# Altium PCB Smart Humidifier_LCEDA.PcbDoc
Units mil, origin at the board's own origin, x right, y up, seen from the top; angles counter-clockwise.
Board outline 3149.61 x 3149.61 mil, 2 copper layers (Top Layer, Bottom Layer); 109 components, 90 nets, 422 pads, 219 vias.
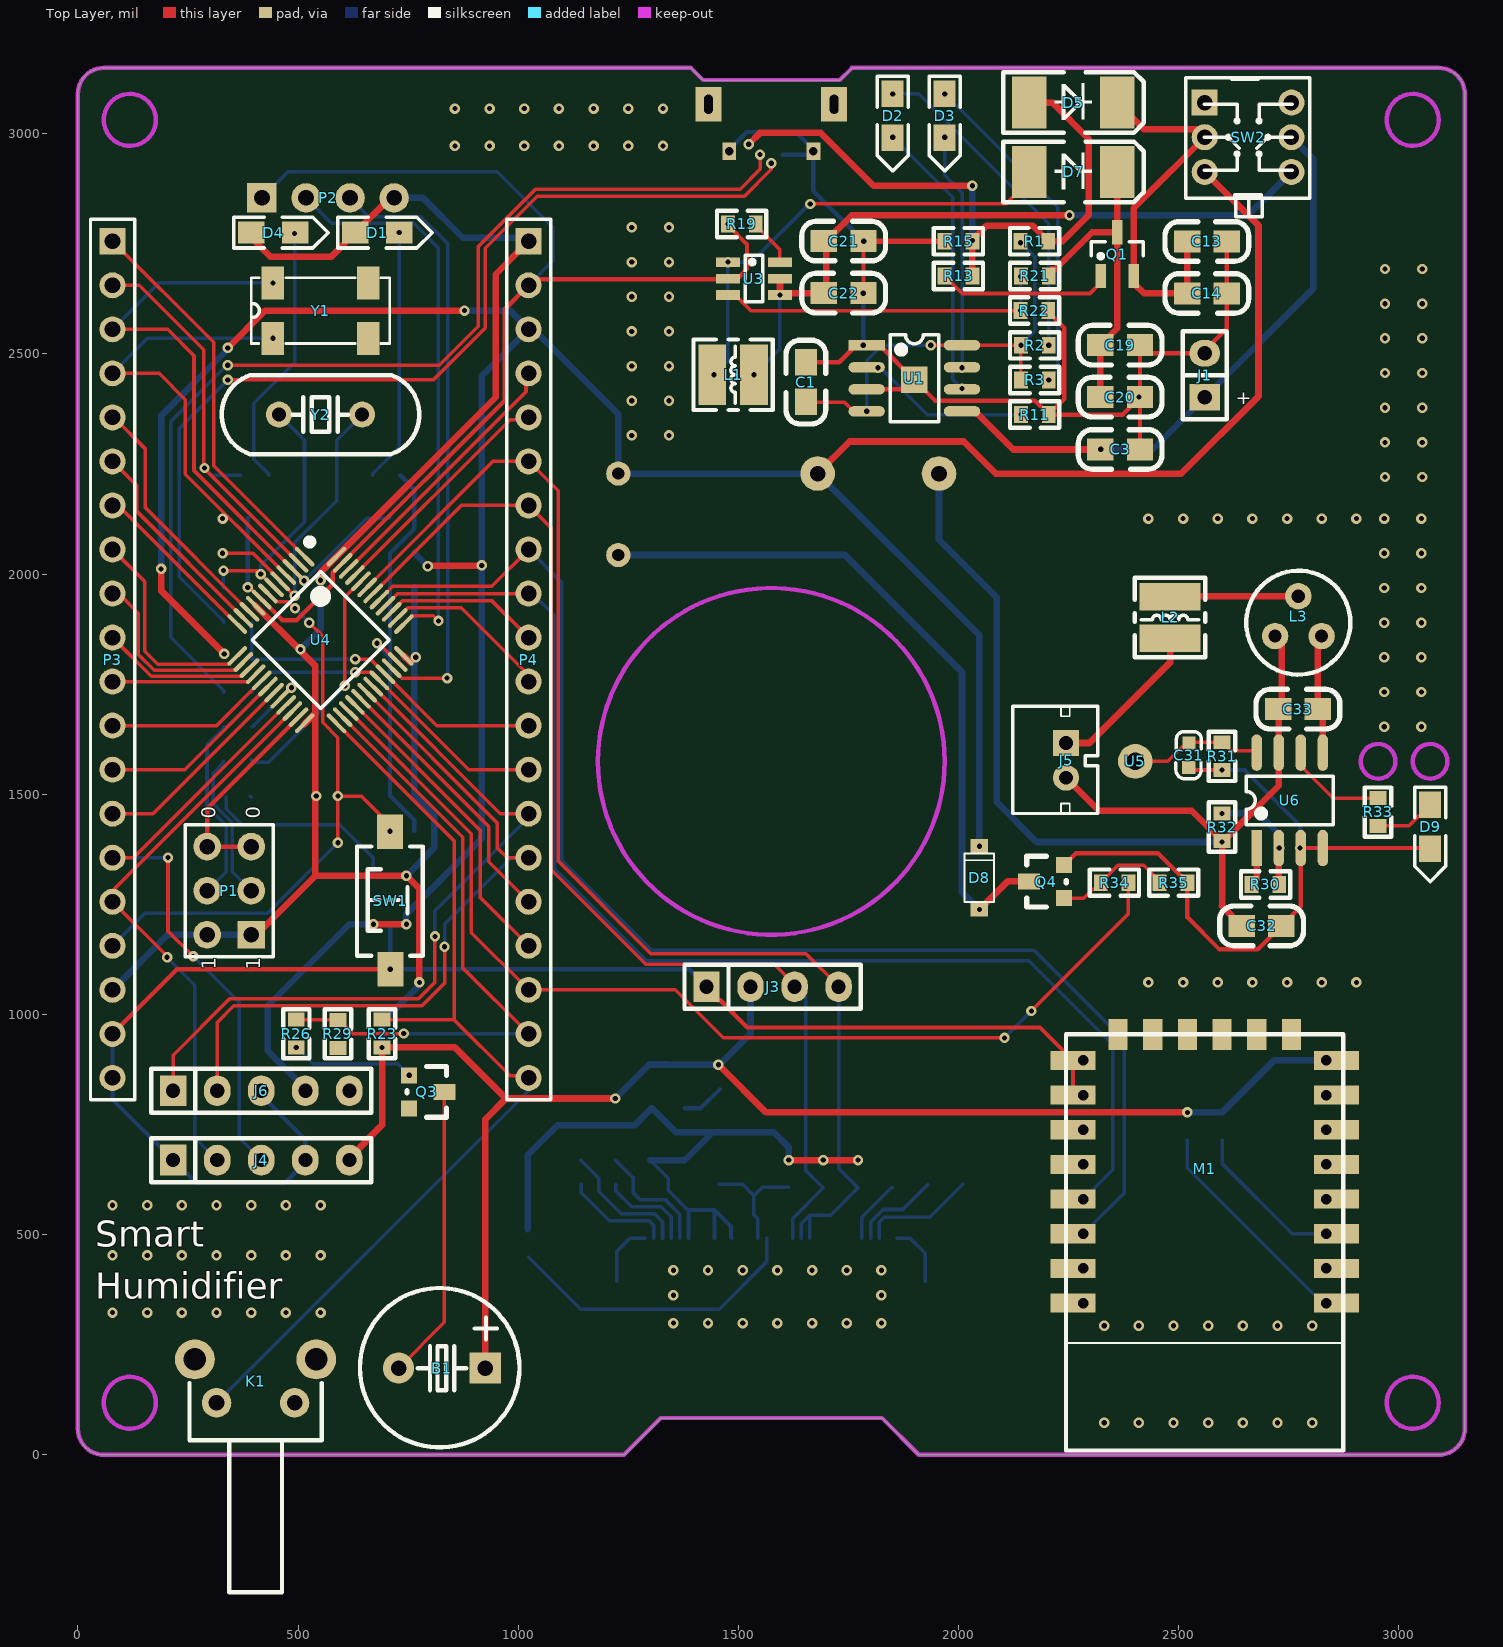
[diagram p0: Top Layer view]
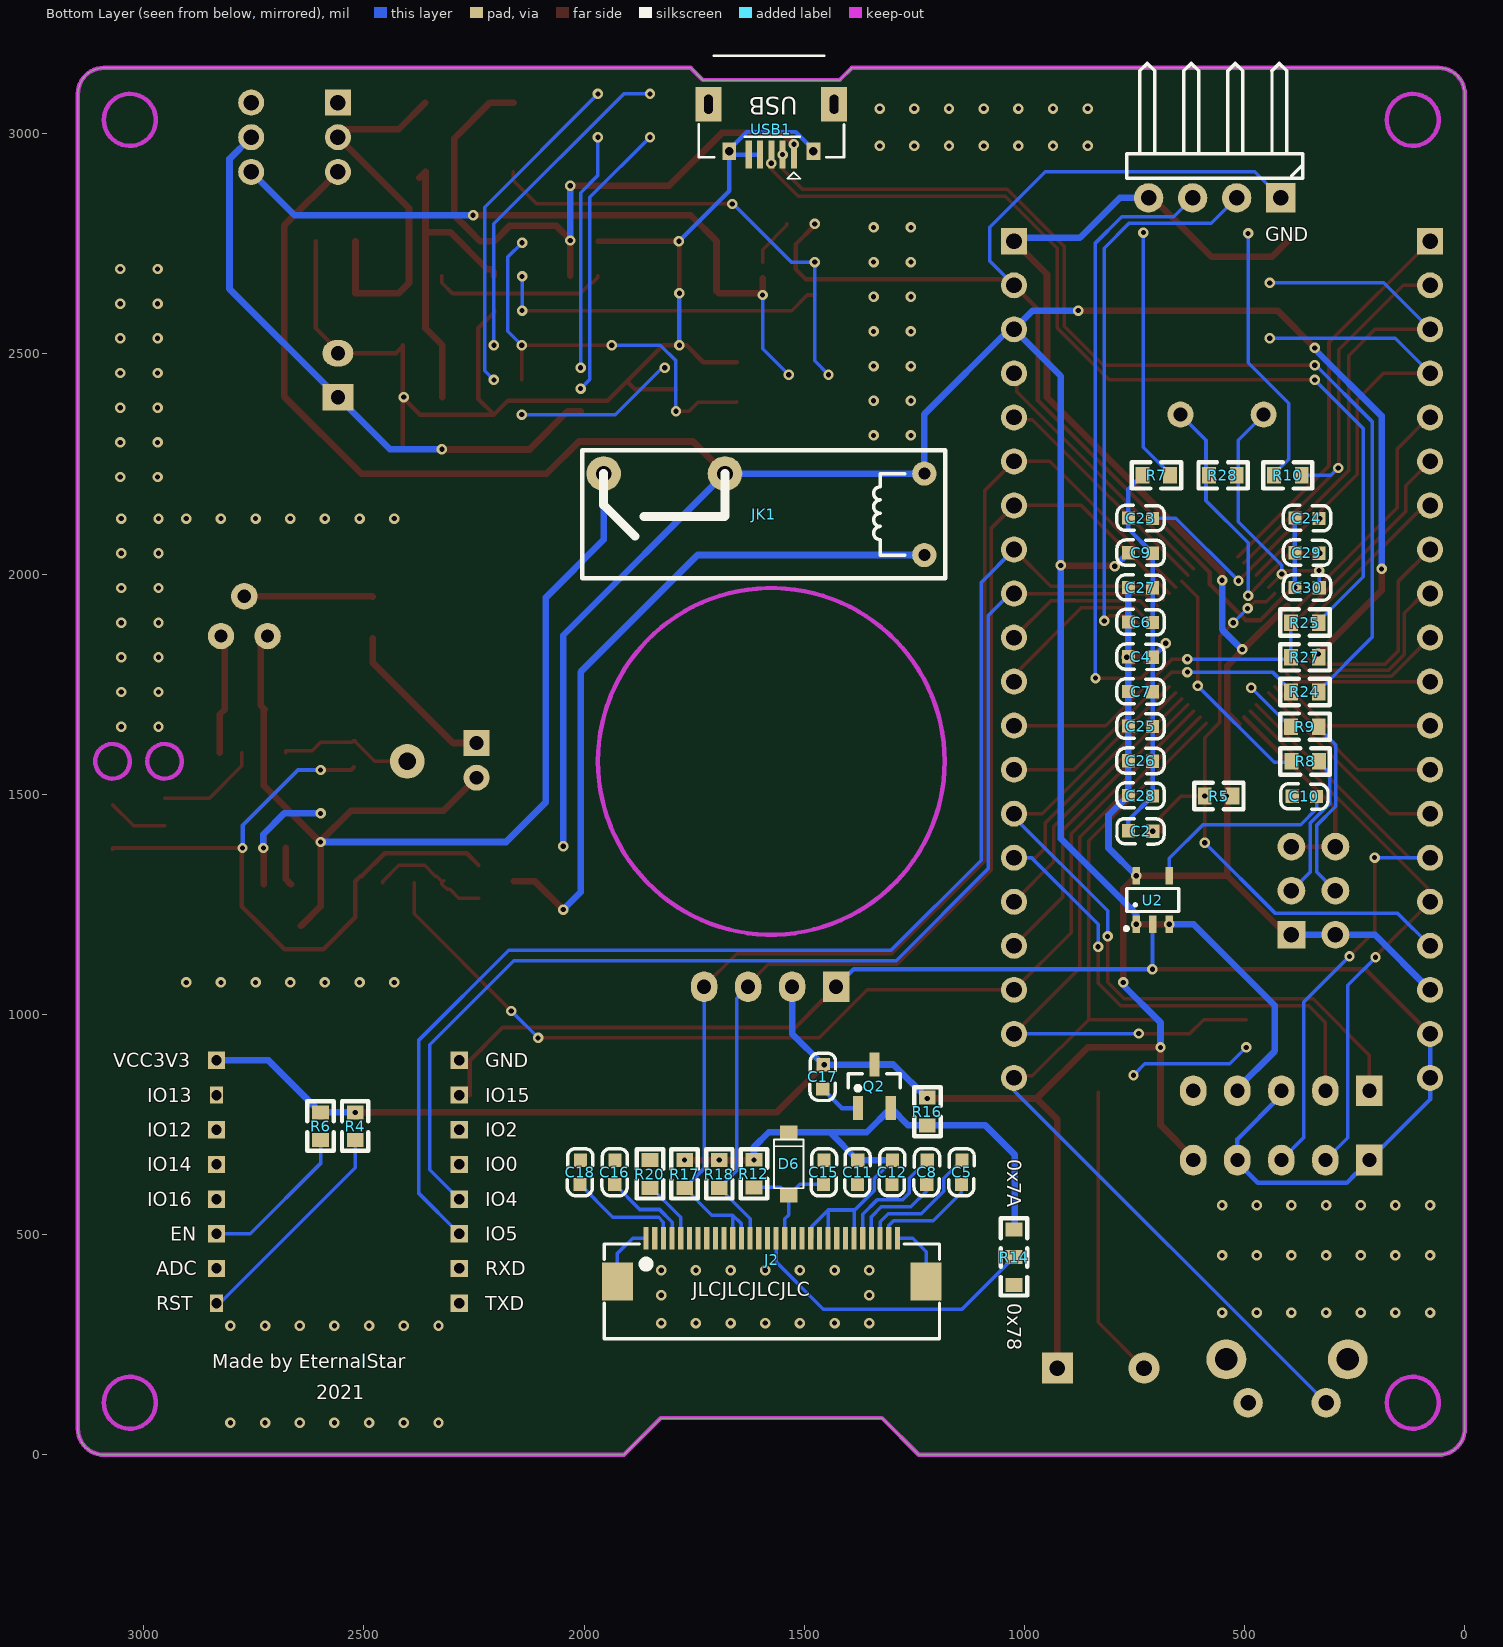
[diagram p1: Bottom Layer view, seen from below]

## Layer stack, top to bottom
Top Solder: solder mask 0.4, Solder Resist, Dk 3.5
Top Layer: signal copper 1.4
Dielectric 1: dielectric 12.6, FR-4, Dk 4.8
Bottom Layer: signal copper 1.4
Bottom Solder: solder mask 0.4, Solder Resist, Dk 3.5

## Board outline
59.06,0 cw(c59.06,59.06) 0,59.06 0,3090.55 cw(c59.06,3090.55) 59.06,3149.61 1392.22,3149.61 1419.78,3122.05 1730.32,3122.05 1757.87,3149.61 3090.55,3149.61 cw(c3090.55,3090.55) 3149.61,3090.55 3149.61,59.06 cw(c3090.55,59.06) 3090.55,0 1909.45,0 1825.93,83.52 1323.67,83.52 1240.16,0

## Design rules (kind name [scope] priority, off if disabled: settings)
AssemblyTestPointUsage [All] p0: scope1count=1 scope1_0_kind=Board scope1_0_value=Board scope2count=1 scope2_0_kind=Board scope2_0_value=Board commentlength=0
AssemblyTestpoint [All] p0: scope1count=1 scope1_0_kind=Board scope1_0_value=Board scope2count=1 scope2_0_kind=Board scope2_0_value=Board commentlength=0
Clearance [All] p0: scope1count=1 scope1_0_kind=Board scope1_0_value=Board scope2count=1 scope2_0_kind=Board scope2_0_value=Board commentlength=0 gap=5
Clearance [All] p1: gap=5 ignorepadtopadclearanceinfootprint=TRUE
ComponentClearance ComponentClearance_1 [All] p0: scope1count=1 scope1_0_kind=Component scope1_0_value=OLED1 scope2count=1 scope2_0_kind=Board scope2_0_value=Board commentlength=0 gap=0 collisioncheckmode=3
ComponentClearance [All] p0: scope1count=1 scope1_0_kind=Board scope1_0_value=Board scope2count=1 scope2_0_kind=Board scope2_0_value=Board commentlength=0 gap=10 collisioncheckmode=3
ComponentClearance ComponentClearance_1 [InComponent('OLED1')] p1: gap=0 collisioncheckmode=3 verticalgap=0 showdistances=FALSE
ComponentClearance [All] p2: gap=10 collisioncheckmode=3 verticalgap=10 showdistances=FALSE
DiffPairsRouting [All] p0: scope1count=1 scope1_0_kind=Board scope1_0_value=Board scope2count=1 scope2_0_kind=Board scope2_0_value=Board commentlength=0
DiffPairsRouting [All] p1: maxlimit=10 minlimit=3.5 mostfreqgap=8 toplayer_minwidth=3.5 toplayer_maxwidth=15 toplayer_prefwidth=8 bottomlayer_minwidth=3.5 bottomlayer_maxwidth=15 bottomlayer_prefwidth=8 maxuncoupledlength=500
FabricationTestPointUsage [All] p0: scope1count=1 scope1_0_kind=Board scope1_0_value=Board scope2count=1 scope2_0_kind=Board scope2_0_value=Board commentlength=0 valid=0 allowmultiple=FALSE
FabricationTestpoint [All] p0: scope1count=1 scope1_0_kind=Board scope1_0_value=Board scope2count=1 scope2_0_kind=Board scope2_0_value=Board commentlength=0 side=3 testpointundercomponent=TRUE minsize=40 maxsize=100 preferedsize=60 minholesize=0 maxholesize=40 preferedholesize=32 testpointgrid=1
FanoutControl Fanout_BGA [All] p0 off: scope1count=1 scope1_0_kind=Board scope1_0_value=Board scope2count=1 scope2_0_kind=Board scope2_0_value=Board commentlength=69 // Protel DXP Scope 1 Expression Was: IsBGA   Fanout_BGA (Default Rule)
FanoutControl Fanout_LCC [All] p0 off: scope1count=1 scope1_0_kind=Board scope1_0_value=Board scope2count=1 scope2_0_kind=Board scope2_0_value=Board commentlength=69 // Protel DXP Scope 1 Expression Was: IsLCC   Fanout_LCC (Default Rule)
FanoutControl Fanout_SOIC [All] p0 off: scope1count=1 scope1_0_kind=Board scope1_0_value=Board scope2count=1 scope2_0_kind=Board scope2_0_value=Board commentlength=71 // Protel DXP Scope 1 Expression Was: IsSOIC   Fanout_SOIC (Default Rule)
FanoutControl Fanout_Small [All] p0 off: scope1count=1 scope1_0_kind=Board scope1_0_value=Board scope2count=1 scope2_0_kind=Board scope2_0_value=Board commentlength=84 // Protel DXP Scope 1 Expression Was: (CompPinCount < 5)   Fanout_Small (Default Rule)
FanoutControl Fanout_Default [All] p0: scope1count=1 scope1_0_kind=Board scope1_0_value=Board scope2count=1 scope2_0_kind=Board scope2_0_value=Board commentlength=30 // Fanout_Default (Default Rule)
Height [All] p0: scope1count=1 scope1_0_kind=Board scope1_0_value=Board scope2count=1 scope2_0_kind=Board scope2_0_value=Board commentlength=0
HoleSize [All] p0: scope1count=1 scope1_0_kind=Board scope1_0_value=Board scope2count=1 scope2_0_kind=Board scope2_0_value=Board commentlength=0 absolutevalues=TRUE maxlimit=100 minlimit=1 maxpercent=80.000 minpercent=20.000
HoleToHoleClearance [All] p0: scope1count=1 scope1_0_kind=Board scope1_0_value=Board scope2count=1 scope2_0_kind=Board scope2_0_value=Board commentlength=0
LayerPairs [All] p0: scope1count=1 scope1_0_kind=Board scope1_0_value=Board scope2count=1 scope2_0_kind=Board scope2_0_value=Board commentlength=0 enforce=TRUE
MinimumSolderMaskSliver [All] p0: scope1count=1 scope1_0_kind=Board scope1_0_value=Board scope2count=1 scope2_0_kind=Board scope2_0_value=Board commentlength=0
MinimumSolderMaskSliver [All] p1: minsoldermaskwidth=0
NetAntennae [All] p0: scope1count=1 scope1_0_kind=Board scope1_0_value=Board scope2count=1 scope2_0_kind=Board scope2_0_value=Board commentlength=0
PasteMaskExpansion [All] p0: scope1count=1 scope1_0_kind=Board scope1_0_value=Board scope2count=1 scope2_0_kind=Board scope2_0_value=Board commentlength=0 expansion=0
PlaneClearance [All] p0: scope1count=1 scope1_0_kind=Board scope1_0_value=Board scope2count=1 scope2_0_kind=Board scope2_0_value=Board commentlength=0 clearance=20
PlaneConnect [All] p0: scope1count=1 scope1_0_kind=Board scope1_0_value=Board scope2count=1 scope2_0_kind=Board scope2_0_value=Board commentlength=0 planeconnectstyle=Relief reliefexpansion=20 reliefentries=4 reliefconductorwidth=10 reliefairgap=10
PolygonConnect [All] p0: scope1count=1 scope1_0_kind=Board scope1_0_value=Board scope2count=1 scope2_0_kind=Board scope2_0_value=Board commentlength=0 connectstyle=Relief reliefconductorwidth=10 reliefentries=4 polygonreliefangle="90 Angle"
PolygonConnect [All] p1: connectstyle=Relief reliefconductorwidth=10 reliefentries=4 polygonreliefangle="90 Angle" airgapwidth=10
RoutingCorners [All] p0: scope1count=1 scope1_0_kind=Board scope1_0_value=Board scope2count=1 scope2_0_kind=Board scope2_0_value=Board commentlength=0 cornerstyle=45-Degree minsetback=100 maxsetback=100
RoutingLayers [All] p0: scope1count=1 scope1_0_kind=Board scope1_0_value=Board scope2count=1 scope2_0_kind=Board scope2_0_value=Board commentlength=0 top layer=Automatic bottom layer=Automatic
RoutingPriority [All] p0: scope1count=1 scope1_0_kind=Board scope1_0_value=Board scope2count=1 scope2_0_kind=Board scope2_0_value=Board commentlength=0
RoutingTopology [All] p0: scope1count=1 scope1_0_kind=Board scope1_0_value=Board scope2count=1 scope2_0_kind=Board scope2_0_value=Board commentlength=0 topology=Shortest
RoutingVias [All] p0: scope1count=1 scope1_0_kind=Board scope1_0_value=Board scope2count=1 scope2_0_kind=Board scope2_0_value=Board commentlength=0 holewidth=28 width=50 viastyle="Through Hole" minholewidth=11.81 minwidth=19.68 maxholewidth=248.03 maxwidth=50
RoutingVias [All] p1: holewidth=28 width=50 viastyle="Through Hole" minholewidth=11.81 minwidth=19.68 maxholewidth=248.03 maxwidth=50
ShortCircuit [All] p0: scope1count=1 scope1_0_kind=Board scope1_0_value=Board scope2count=1 scope2_0_kind=Board scope2_0_value=Board commentlength=0 allowed=FALSE
SilkToBoardRegionClearance [All] p0: scope1count=1 scope1_0_kind=Board scope1_0_value=Board scope2count=1 scope2_0_kind=Board scope2_0_value=Board commentlength=0
SilkToSilkClearance [All] p0: scope1count=1 scope1_0_kind=Board scope1_0_value=Board scope2count=1 scope2_0_kind=Board scope2_0_value=Board commentlength=0
SilkToSilkClearance [All] p1: silktosilkclearance=0
SilkToSolderMaskClearance [All] p0 off: scope1count=1 scope1_0_kind=Board scope1_0_value=Board scope2count=1 scope2_0_kind=Board scope2_0_value=Board commentlength=44 // Protel DXP Scope 1 Expression Was: IsPad
SilkToSolderMaskClearance [IsPad] p1: minsilkscreentomaskgap=0 clearancetoexposedcopper=TRUE
SolderMaskExpansion [All] p0: scope1count=1 scope1_0_kind=Board scope1_0_value=Board scope2count=1 scope2_0_kind=Board scope2_0_value=Board commentlength=0 expansion=4
SolderMaskExpansion [All] p1: expansion=4
UnRoutedNet [All] p0: scope1count=1 scope1_0_kind=Board scope1_0_value=Board scope2count=1 scope2_0_kind=Board scope2_0_value=Board commentlength=0
UnpouredPolygon [All] p0: scope1count=1 scope1_0_kind=Board scope1_0_value=Board scope2count=1 scope2_0_kind=Board scope2_0_value=Board commentlength=0
UnpouredPolygon [All] p1: allowunpoured=TRUE allowshelved=TRUE
Width [All] p0: scope1count=1 scope1_0_kind=Board scope1_0_value=Board scope2count=1 scope2_0_kind=Board scope2_0_value=Board commentlength=0 maxlimit=15 minlimit=3.5 preferedwidth=8
Width [All] p1: maxlimit=15 minlimit=3.5 preferedwidth=8
24 further rules are at their usual default settings.

## Components (designator, comment, footprint, x,y, rotation, side; value= is the part's Value field where it differs from the comment)
B1 "BEEP" "BEEP 5x9x5.5" 925.2,196.85 r180 top locked
C1 "10uF/0805" 0805C 1653.54,2480.32 r270 top
C2 "1uF/0603" 0603C 764.02,1417.32 r180 bottom
C3 "10uF/0805" 0805C 2322.83,2283.46 r0 top
C4 "0.1uF/0603" 0603C 708.66,1811.02 r0 bottom
C5 "1uF/0603" 0603C 1141.73,669.29 r270 bottom locked
C6 "10uF/0603" 0603C 708.66,1889.76 r0 bottom
C7 "0.1uF/0603" 0603C 708.66,1732.28 r0 bottom
C8 "1uF/0603" 0603C 1220.47,669.29 r270 bottom locked
C9 "1uF/0603" 0603C 708.66,2047.24 r0 bottom
C10 "22nF/0603" 0603C 391.83,1496.06 r180 bottom
C11 "1uF/0603" 0603C 1377.95,669.29 r270 bottom locked
C12 "1uF/0603" 0603C 1299.21,669.29 r270 bottom locked
C13 "10uF/0805" 0805C 2519.68,2755.91 r0 top
C14 "0.1uF/0805" 0805C 2519.68,2637.8 r0 top
C15 "4.7uF/0603" 0603C 1456.69,613.93 r90 bottom locked
C16 "4.7uF/0603" 0603C 1929.13,669.29 r270 bottom locked
C17 "1uF/0603" 0603C 1456.69,885.83 r270 bottom locked
C18 "2.2uF/0603" 0603C 2007.87,669.29 r270 bottom locked
C19 "20uF/0805" 0805C 2411.28,2519.68 r180 top
C20 "0.1uF/0805" 0805C 2411.28,2401.57 r180 top
C21 "0.1uF/0805" 0805C 1783.46,2755.91 r180 top
C22 "20uF/0805" 0805C 1783.46,2637.8 r180 top
C23 "22pF/0603" 0603C 708.66,2125.98 r0 bottom locked
C24 "22pF/0603" 0603C 330.61,2125.98 r0 bottom
C25 "1uF/0603" 0603C 708.66,1653.54 r0 bottom
C26 "1uF/0603" 0603C 708.66,1574.8 r0 bottom
C27 "1uF/0603" 0603C 708.66,1968.5 r0 bottom locked
C28 "1uF/0603" 0603C 708.66,1496.06 r0 bottom
C29 "22pF/0603" 0603C 330.61,2047.24 r0 bottom
C30 "22pF/0603" 0603C 330.5,1968.5 r0 bottom
C31 "0.1uF/0603" 0603C 2523.98,1616.35 r270 top
C32 "10uF/X7R/0805" 0805C 2732.28,1200.79 r180 top
C33 "8.2nF/NPO/0805" 0805C 2814.96,1692.91 r180 top
D1 "LEDR/0805" LED-0805R 629.92,2775.59 r0 top
D2 "LEDG/0805" LED-0805G 1850.39,3090.55 r270 top
D3 "LEDR/0805" LED-0805R 1968.5,3090.55 r270 top
D4 "LEDY/0805" LED-0805Y 393.7,2775.59 r0 top
D5 "SS24/2A/40V/SMA" SMA/DO-214AC 2165.35,3070.87 r0 top
D6 "1N4148W/T4" SOD-123 1535.43,590.55 r90 bottom locked
D7 "SM340A" SMA/DO-214AC 2165.35,2913.39 r0 top
D8 "IN4148W/T4" SOD-123 2047.24,1240.16 r90 top
D9 "LEDP/0805" LED-0805Y 3070.87,1476.38 r270 top
J1 "电池接口" Fe-HDR1X2/2.54-S 2559.06,2401.57 r90 top
J2 "FPC0.5-30P" FPC0.5-30P 1573.74,393.7 r180 bottom locked
J3 "Pin HDR1X4" "Pin HDR1X4/2.54mm-S" 1427.56,1062.99 r90 top locked
J4 "Female HDR1X5" Fe-HDR1X5/2.54-S 216.54,669.29 r90 top
J5 "雾化器接口/PH2.0" PH2.0-2P 2244.09,1616.35 r270 top
J6 "Female HDR1X5" Fe-HDR1X5/2.54-S 216.54,826.77 r90 top
JK1 "HF46F/5-HS1" HF46-xx-HS1 1589.49,2135.83 r0 bottom
K1 "KEY 6*6*12" DIP-6X6X12_C 314.96,118.11 r0 top locked
L1 "3.3uH/CD32" CD32 1488.19,2452.76 r180 top
L2 "220uH/CD32" CD32 2480.32,1901.57 r90 top
L3 "27uH:760uH" "INDUCTOR Tripod" 2771.65,1889.76 r0 top
M1 "ESP-12E&F Module" "ESP-12E&F Module" 2559.06,649.61 r180 top locked
P1 "Header 3X2" HDR-3X2 393.7,1181.1 r90 top
P2 "SWD" HDR-1X4_H 418.11,2854.33 r0 top
P3 "Header 20" HDR1X20 78.74,2755.91 r270 top locked
P4 "Header 20" HDR1X20 1023.62,2755.91 r270 top locked
Q1 "IRLML6401/SOT23" SOT23#1 2322.83,2677.17 r0 top
Q2 "662K/SOT23" SOT23#2 1377.95,787.4 r180 bottom locked
Q3 "SS8050/NPN/SOT-23" SOT-23 787.4,826.77 r270 top locked
Q4 "S9014/NPN/SOT-23" SOT-23 2204.72,1299.21 r90 top
R1 "0.4R/0603" 0603R 2203.73,2755.91 r180 top
R2 "1K/0603" 0603R 2141.73,2519.68 r0 top
R3 "1K/0603" 0603R 2141.73,2440.94 r0 top
R4 "510R/0603" 0603R 2519.68,777.56 r270 bottom
R5 "10K/0603" 0603R 527.56,1496.06 r0 bottom
R6 "1K/0603" 0603R 2598.43,777.56 r270 bottom
R7 "510R/0603" 0603R 669.29,2224.41 r0 bottom
R8 "10K/0603" 0603R 393.7,1574.8 r180 bottom locked
R9 "10K/0603" 0603R 331.7,1653.54 r0 bottom locked
R10 "510R/0603" 0603R 433.07,2224.41 r180 bottom
R11 "1K2/0603" 0603R 2141.73,2362.2 r0 top
R12 "4.7K/0603" 0603R 1614.17,607.08 r90 bottom locked
R13 "100K/0603" 0603R 1968.5,2677.17 r0 top
R14 "4.7K/0603" SW_0603R 1023.62,511.81 r270 bottom
R15 "100K/0603" 0603R 1968.5,2755.91 r0 top
R16 "0R/0603" 0603R 1220.47,748.03 r90 bottom
R17 "4.7K/0603" 0603R 1771.65,669.08 r270 bottom locked
R18 "4.7K/0603" 0603R 1692.91,669.08 r270 bottom locked
R19 "10K/0603" 0603R 1476.38,2795.28 r0 top locked
R20 "620K/0603" 0603R 1850.39,669.08 r270 bottom locked
R21 "88K/0603" 0603R 2141.73,2677.17 r0 top
R22 "12K/0603" 0603R 2203.73,2598.43 r180 top
R23 "10K/0603" 0603R 690.94,925.2 r90 top
R24 "20R/0603" 0603R 331.69,1732.28 r0 bottom locked
R25 "20R/0603" 0603R 331.69,1889.76 r0 bottom locked
R26 "4K7/0603" 0603R 496.06,925.2 r90 top
R27 "4K7/0603" 0603R 331.69,1811.02 r0 bottom
R28 "1M/0603" 0603R 517.72,2224.41 r0 bottom locked
R29 "10K/0603" 0603R 590.55,987.2 r270 top
R30 "113K/0603" 0603R 2728.35,1295.28 r180 top
R31 "10M/0603" 0603R 2598.43,1555.12 r90 top locked
R32 "510K/0603" 0603R 2598.43,1456.69 r270 top locked
R33 "2K/0603" 0603R 2952.76,1428.38 r90 top
R34 "4K7/0603" 0603R 2322.83,1299.21 r0 top
R35 "100K/0603" 0603R 2519.68,1299.21 r180 top
SW1 "SW-PB_V" "TSW SMD-3*6*2.5" 708.66,1259.84 r90 top locked
SW2 "KFT" "KFT DIP-7X7" 2559.06,3070.87 r0 top locked
U1 "TP4056" SOP8 1791.34,2519.68 r0 top locked
U2 "RT9193" SOT23-5L 708.66,1259.84 r180 bottom locked
U3 "TC6291C/SOT23-6" SOT23-6 1476.38,2708.66 r270 top locked
U4 "STM32F103C8T6" "TQFP48 7x7_L" 551.18,1850.39 r225 top locked
U5 "缺水引线" 通孔焊盘 3059.06,1574.8 r0 top
U6 "XKT-201/SOP-8" SOP8 2677.17,1377.95 r90 top locked
USB1 "Micro-USB" USB-micro_B 1523.62,2952.76 r0 bottom
Y1 "32.768K" MC-306 551.18,2598.43 r0 top locked
Y2 "8M" "XTAL-49S DIP" 551.18,2362.2 r0 top locked

## Footprints (in the part's own frame and the unit in brackets; to place one, negate y for a bottom-side part, rotate by r counter-clockwise, add the part's x,y. Pads: shape width x height; smd on the part's side, far side on the other; paste and mask are expansions set on the pad)
0603C [mil]
  rect 30x30 smd: 1(0.21,-0.35) 2(55.21,-1.35)
  silkscreen extent -26,-30 81,28
0603R [mm]
  rect 0.8x0.965 smd: 1(0,0) 2(1.6,0)
  silkscreen extent -0.64,-0.76 2.21,0.76
0805C [mil]
  rect 60x50 smd: 1(-0.71,-0.4) 2(89.29,-0.4)
  silkscreen extent -51,-45 139,45
"BEEP 5x9x5.5" [mm]
  rect 1.8x1.8 hole 0.9: 1(0,0)
  round 1.8 hole 0.9: 2(5,0)
  silkscreen extent -1.97,-4.62 7.23,4.57
CD32 [mm] "3.5*3*2mm（长宽高）"
  rect 1.6x3.5 smd: 1(-1.2,0) 2(1.2,0)
  silkscreen extent -2.29,-2.03 2.29,2.03
DIP-6X6X12_C [mm]
  round 2.3 hole 1.3: 0(-1.25,2.5) 0(5.75,2.5)
  round 1.7 hole 0.9: 1(0,0) 3(4.5,0)
  silkscreen extent -1.56,-10.92 6.06,1.14
"ESP-12E&F Module" [mm]
  rect 2.6x1.1 smd: 1(-7.6,7.75) 2(-7.6,5.75) 3(-7.6,3.75) 4(-7.6,1.75) 5(-7.6,-0.25) 6(-7.6,-2.25) 7(-7.6,-4.25) 8(-7.6,-6.25) 15(7.6,-6.25) 16(7.6,-4.25) 17(7.6,-2.25) 18(7.6,-0.25) 19(7.6,1.75) 20(7.6,3.75) 21(7.6,5.75) 22(7.6,7.75)
  rect 0.762x1 hole 0.6: 1(-7,7.75) 7(-7,-4.25)
  rect 0.762x1 / inner rect 0.762x1 / far side rect 1x1 hole 0.6: 2(-7,5.75) 3(-7,3.75) 4(-7,1.75) 5(-7,-0.25) 6(-7,-2.25) 8(-7,-6.25) 15(7,-6.25) 16(7,-4.25) 17(7,-2.25) 18(7,-0.25) 19(7,1.75) 20(7,3.75) 21(7,5.75) 22(7,7.75)
  rect 1.1x1.8 smd: 9(-5,-7.75) 10(-3,-7.75) 11(-1,-7.75) 12(1,-7.75) 13(3,-7.75) 14(5,-7.75)
  silkscreen extent -8,-7.75 8,16.25
Fe-HDR1X2/2.54-S [mil] "Connector; Header; 2x2 Position"
  rect 60x70 hole 32: 1(0,0)
  oval 60x70 hole 32: 2(100,0)
  silkscreen extent -50,-50 150,50
Fe-HDR1X5/2.54-S [mil]
  rect 70x60 hole 32: 1(0,0)
  oval 70x60 hole 32: 2(0,-100) 3(0,-200) 4(0,-300) 5(0,-400)
  silkscreen extent -50,-450 50,50
FPC0.5-30P [mm]
  rect 1.8x2.2 smd: 0(-8.9,0) 0(8.9,0)
  rect 0.3x1.3 smd: 1(-7.25,2.497) 2(-6.75,2.497) 3(-6.25,2.497) 4(-5.75,2.497) 5(-5.25,2.497) 6(-4.75,2.497) 7(-4.25,2.497) 8(-3.75,2.497) 9(-3.25,2.497) 10(-2.75,2.497) 11(-2.25,2.497) 12(-1.75,2.497) 13(-1.25,2.497) 14(-0.75,2.497) 15(-0.25,2.497) 16(0.25,2.497) 17(0.75,2.497) 18(1.25,2.497) 19(1.75,2.497) 20(2.25,2.497) 21(2.75,2.497) 22(3.25,2.497) 23(3.75,2.497) 24(4.25,2.497) 25(4.75,2.497) 26(5.25,2.497) 27(5.75,2.497) 28(6.25,2.497) 29(6.75,2.497) 30(7.25,2.497)
  silkscreen extent -9.68,-3.3 9.67,2.16
HDR1X20 [mm] "Connector; Header; 20 Position"
  rect 1.5x1.5 hole 0.9: 1(0,0)
  round 1.5 hole 0.9: 2(2.54,0) 3(5.08,0) 4(7.62,0) 5(10.16,0) 6(12.7,0) 7(15.24,0) 8(17.78,0) 9(20.32,0) 10(22.86,0) 11(25.4,0) 12(27.94,0) 13(30.48,0) 14(33.02,0) 15(35.56,0) 16(38.1,0) 17(40.64,0) 18(43.18,0) 19(45.72,0) 20(48.26,0)
  silkscreen extent -1.27,-1.27 49.53,1.27
HDR-1X4_H [mm] "弯脚排针，4脚"
  rect 1.7x1.7 hole 0.9: 1(0,0)
  round 1.7 hole 0.9: 2(2.54,0) 3(5.08,0) 4(7.62,0)
HDR-3X2 [mm] "双排排针，3x2脚"
  rect 1.6x1.6 hole 0.9: 1(0,0)
  round 1.6 hole 0.9: 2(0,2.54) 3(2.54,0) 4(2.54,2.54) 5(5.08,0) 6(5.08,2.54)
  silkscreen extent -1.27,-1.27 6.35,3.81
HF46-xx-HS1 [mm] "一组常开，长：20.5mm，宽：7mm，高：15.3mm"
  round 1.4 hole 0.7: 1(-9.2,2.35) 2(-9.2,-2.35)
  round 2 hole 0.9: 3(2.3,-2.35) 4(9.3,-2.35)
  silkscreen extent -10.41,-3.68 10.54,3.68
"INDUCTOR Tripod" [mil]
  round 60 hole 30: 1(0,60) 2(52.83,-30.51) 3(-52.83,-30.51)
  silkscreen extent -118,-118 118,118
"KFT DIP-7X7" [mm]
  rect 1.5x1.5 hole 0.9: 1(0,0)
  round 1.5 hole 0.9: 2(0,-2) 3(0,-4) 4(5,-4) 5(5,-2) 6(5,0)
  silkscreen extent -1.08,-6.58 6.06,1.42
LED-0805G [mil]
  rect 60x50 smd: A(0,0) K(100,0)
  silkscreen extent -40,-35 175,35
LED-0805R [mil]
  rect 60x50 smd: A(0,0) K(100,0)
  silkscreen extent -40,-35 175,35
LED-0805Y [mil]
  rect 60x50 smd: A(0,0) K(100,0)
  silkscreen extent -40,-35 175,35
MC-306 [mm]
  rect 1.3x1.9 smd: 1(-2.75,-1.6) 2(2.75,-1.6) 3(2.75,1.6) 4(-2.75,1.6)
  silkscreen extent -4,-1.9 4,1.9
PH2.0-2P [mm]
  rect 1.5x1.5 hole 0.8: 1(0,0)
  round 1.5 hole 0.8: 2(2,0)
  silkscreen extent -2.13,-3.08 4.06,1.82
"Pin HDR1X4/2.54mm-S" [mil]
  rect 70x60 hole 32: 1(0,0)
  oval 70x60 hole 32: 2(0,-100) 3(0,-200) 4(0,-300)
  silkscreen extent -50,-350 50,50
SMA/DO-214AC [mm] "塑封二极管"
  rect 2x3 smd: A(-0.127,0) K(4.953,0)
  silkscreen extent -1.63,-1.75 6.48,1.75
SOD-123 [mm] "塑封二极管"
  rect 0.8x1 smd: A(-0.051,0) K(3.607,0)
  silkscreen extent 0.38,-0.85 3.18,0.85
SOP8 [mm]
  rect 2.1x0.6 smd: 1(0,0)
  oval 2.1x0.6 smd: 2(0,-1.27) 3(0,-2.54) 4(0,-3.81) 5(5.5,-3.81) 6(5.5,-2.54) 7(5.5,-1.27) 8(5.5,0)